# Altium PCB 宝宝主板_V7.PcbDoc
Units mil, origin at the board's own origin, x right, y up, seen from the top; angles counter-clockwise.
Board outline 3890.01 x 3099.41 mil, 2 copper layers (Top Layer, Bottom Layer); 80 components, 71 nets, 324 pads, 114 vias.
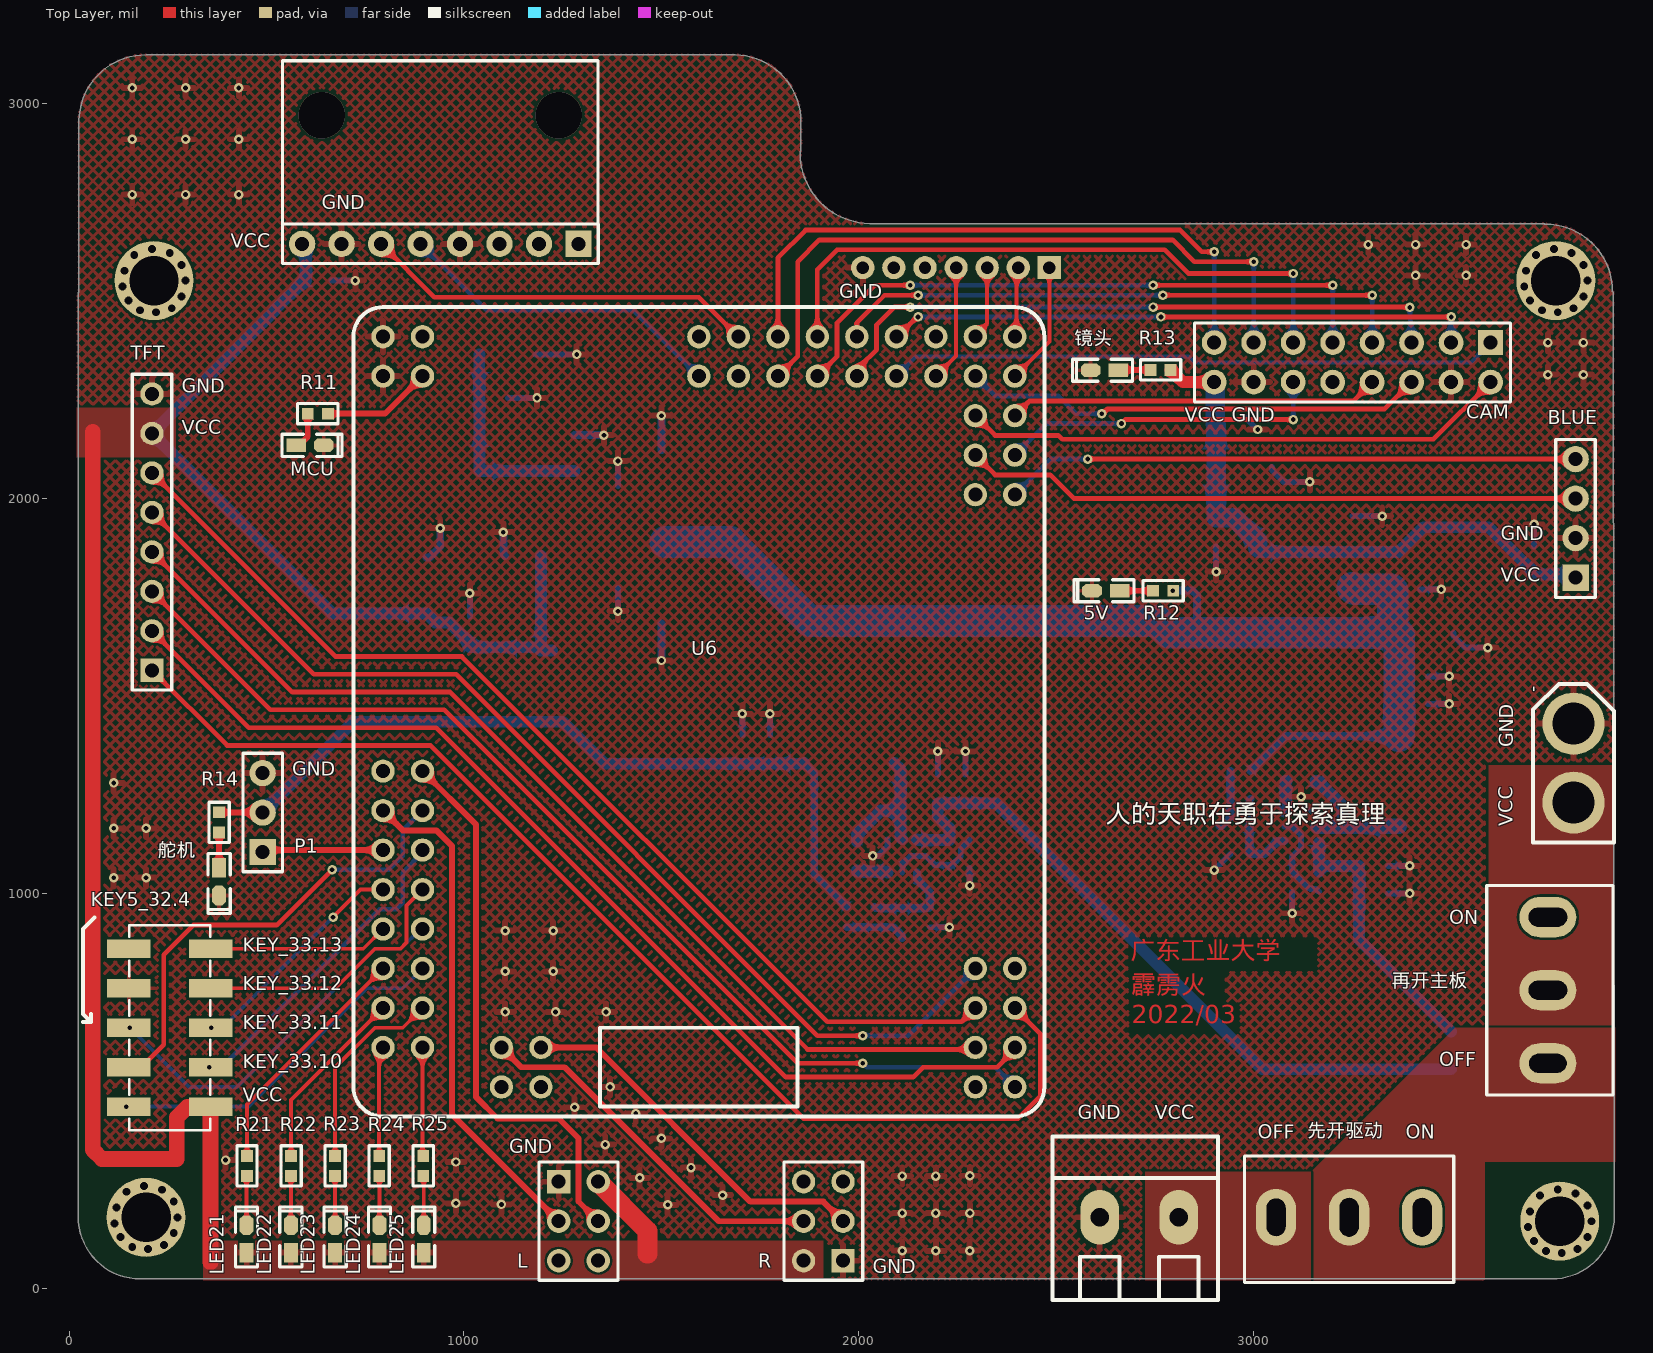
[diagram p0: Top Layer view]
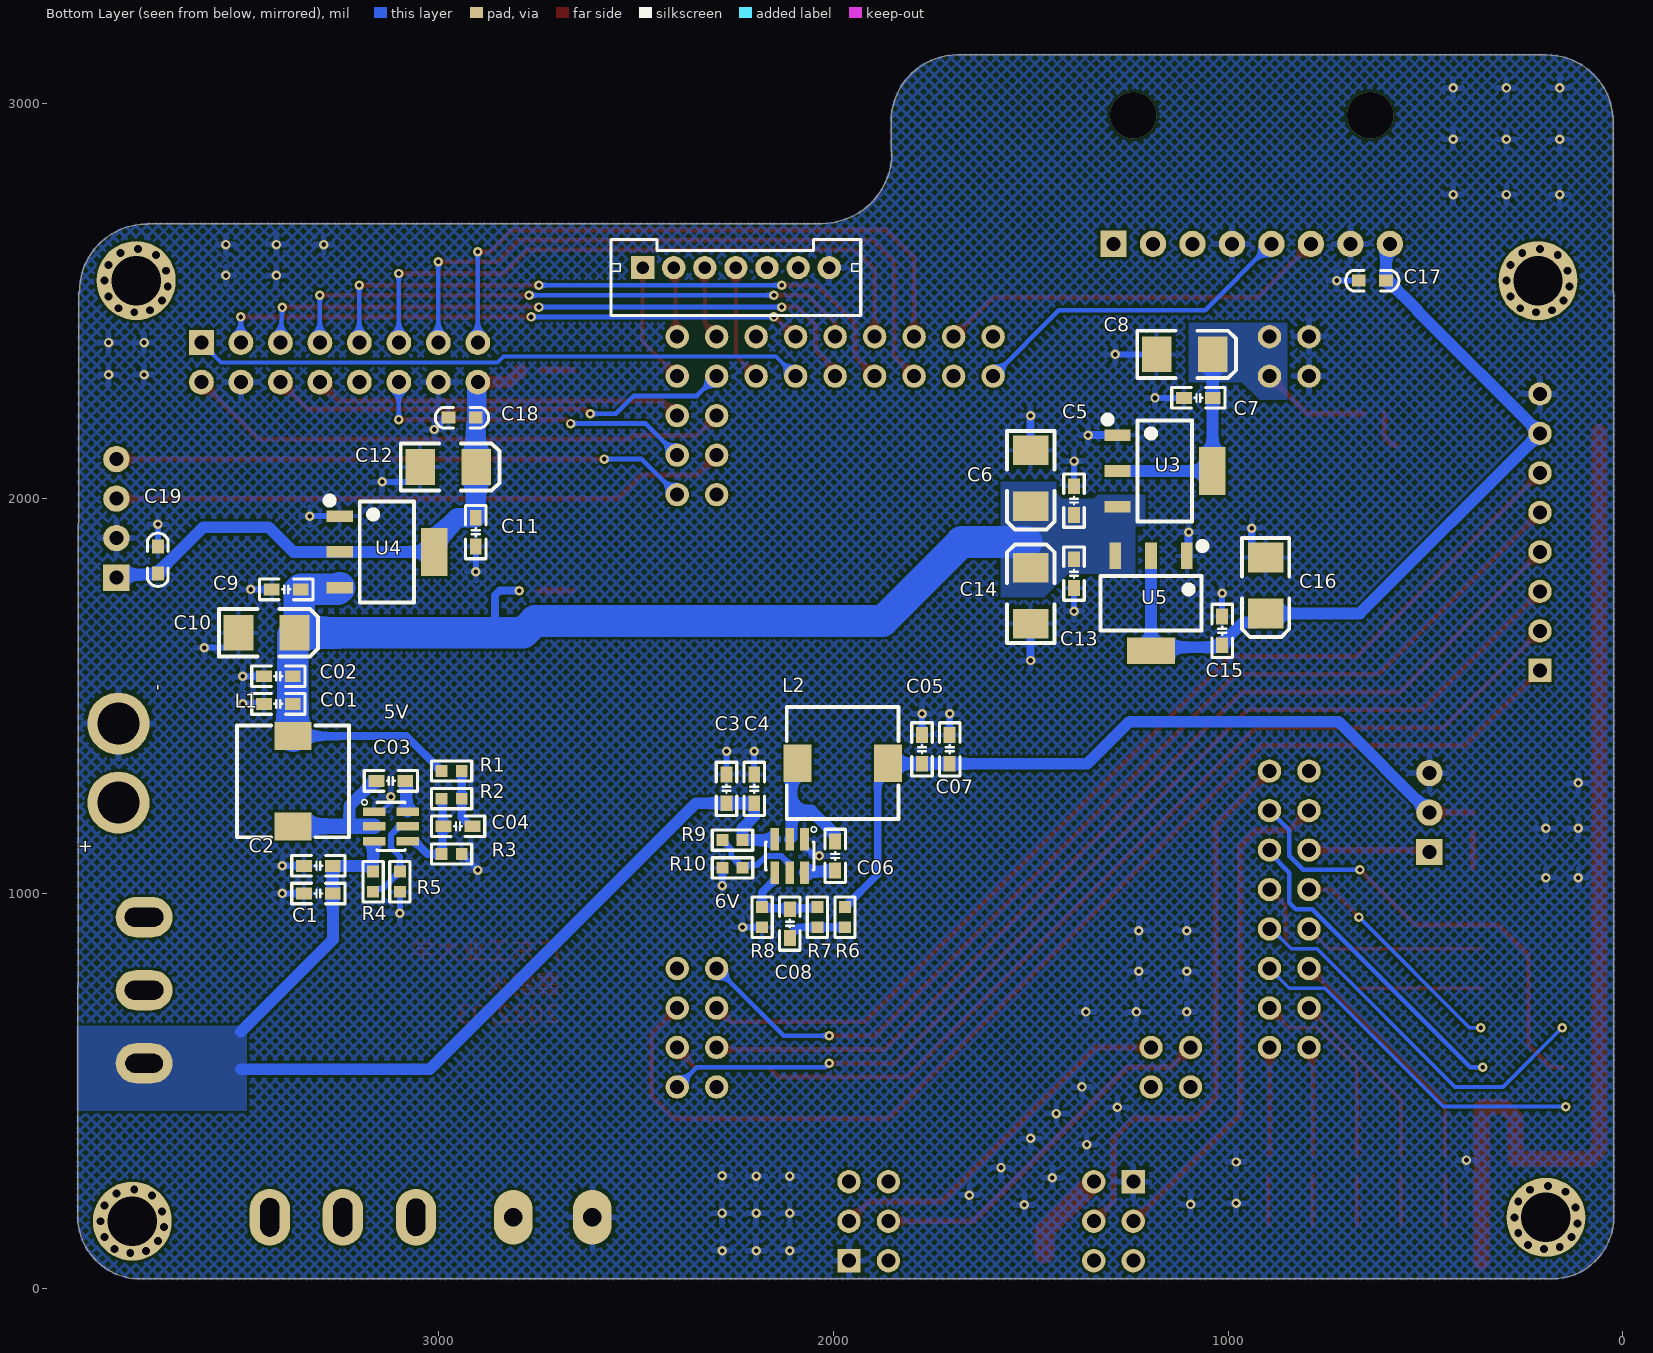
[diagram p1: Bottom Layer view, seen from below]

## Layer stack, top to bottom
Top Solder: solder mask 0.4, Solder Resist, Dk 3.5
Top Layer: signal copper 1.4
Dielectric 1: dielectric 12.6, FR-4, Dk 4.8
Bottom Layer: signal copper 1.4
Bottom Solder: solder mask 0.4, Solder Resist, Dk 3.5

## Board outline
23.23,180.78 23.36,2521.27 ccw(c20.11,2525.09) 25.13,2525.09 25.13,2956.74 cw(c193.56,2955) 195.28,3123.43 ccw(c195.33,3128.44) 195.33,3123.43 1686.74,3123.43 ccw(c1685,2955) 1686.72,3123.43 1686.74,3123.43 cw(c1685,2955) 1853.44,2955 cw(c1685,2955) 1853.43,2953.28 ccw(c1858.44,2953.23) 1853.43,2953.23 1853.43,2880.69 ccw(c1856.56,2876.77) 1851.54,2876.82 ccw(c2030,2875) 2028.18,2696.54 ccw(c2028.23,2701.56) 2028.23,2696.54 3735.06,2696.54 ccw(c3738.84,2699.84) 3738.85,2694.82 cw(c3739.27,2526.07) 3908.02,2526.49 ccw(c3913.04,2526.51) 3909.95,2522.56 3913.24,183.58 ccw(c3918,182) 3912.99,182 cw(c3755,182) 3755,24.01 180,24.01 cw(c180,180.78)

## Design rules (kind name [scope] priority, off if disabled: settings)
Clearance [All] p1: gap=6 ignorepadtopadclearanceinfootprint=FALSE
Height [All] p1: minheight=0 maxheight=9999 prefheight=500
MinimumSolderMaskSliver [All] p1: minsoldermaskwidth=0
PolygonConnect [All] p1: thpad.connectstyle=Relief thpad.reliefconductorwidth=15 thpad.reliefentries=4 thpad.polygonreliefangle="90 Angle" thpad.airgapwidth=10 smdpad.connectstyle=Relief smdpad.reliefconductorwidth=10 smdpad.reliefentries=4 smdpad.polygonreliefangle="90 Angle" smdpad.airgapwidth=10 via.connectstyle=Relief via.reliefconductorwidth=15 via.reliefentries=4 via.polygonreliefangle="90 Angle" via.airgapwidth=10
RoutingVias [All] p1: holewidth=28 width=50 viastyle="Through Hole" minholewidth=28 minwidth=50 maxholewidth=28 maxwidth=50
SilkToSilkClearance [All] p1: silktosilkclearance=0
SilkToSolderMaskClearance [IsPad] p1: minsilkscreentomaskgap=0 clearancetoexposedcopper=TRUE
SolderMaskExpansion [All] p1: expansion=4 istentingtop=FALSE
UnRoutedNet [All] p1: checkbadconnections=TRUE
Width PWR [InNet('No Net')] p1: maxlimit=150 minlimit=10 preferedwidth=60
Width [All] p2: maxlimit=999 minlimit=6 preferedwidth=10 minimp=50.000000 maximp=50.000000 favimp=50.000000
25 further rules are at their usual default settings.

## Classes and differential pairs
component class 宝宝主板_V7: 5V 6V BLUE C01 C1 C2 C02 C3 C03 C4 C04 C5 C05 C06 C6 C07 C7 C8 C08 C9 C10 C11 C12 C13 C14 C15 C16 C17 C18 C19 CAM cam L L1 L2 LED21 LED22 LED23 LED24 LED25 MCU P1 R R1 R2 R3 R4 R5 R6 R7 R8 R9 R10 R11 R12 R13 R14 R21 R22 R23 R24 R25 TFT U3 U4 U5 U6 VCC 先开驱动 舵机 镜头

## Components (designator, comment, footprint, x,y, rotation, side; value= is the part's Value field where it differs from the comment)
5V "TPS54202" SOT23-6 3120,1170 r90 bottom (schematic designator U1)
5V "红色" "LED 0603Y" 2625.48,1766.57 r180 top (schematic designator LED2)
6V "TPS54202" SOT23-6 2110,1095 r180 bottom (schematic designator U2)
BLUE "Header 4" HDR2.54-M-LI-4P 3815,1950 r90 top (schematic designator P5)
C1 "C" "C 0603_M" 3303.5,1000 r180 bottom value=10uF
C01 "C" "C 0603_M" 3405,1480 r180 bottom value=22uF
C2 "C" "C 0603_M" 3303.5,1070 r180 bottom value=100nF
C02 "C" "C 0603_M" 3405,1550 r180 bottom value=22uF
C3 "C" "C 0603_M" 2270,1265 r270 bottom value=10uF
C03 "C" "C 0603_M" 3120,1285 r180 bottom value=0.1uF
C4 "C" "C 0603_M" 2200,1265 r270 bottom value=100nF
C04 "C" "C 0603_M" 2950,1170.41 r180 bottom value=75pF
C5 "C" "C 0603_M" 1390,1995 r270 bottom value=100nF
C05 "C" "C 0603_M" 1775,1365 r270 bottom value=22uF
C6 "C-CD" "CD B(3528)" 1500,2051.5 r90 bottom value=10uF
C06 "C" "C 0603_M" 1995,1095 r270 bottom value=0.1uF
C7 "C" "C 0603_M" 1075,2255 r180 bottom value=100nF
C07 "C" "C 0603_M" 1705,1365 r270 bottom value=22uF
C8 "C-CD" "CD B(3528)" 1110,2365 r0 bottom value=10uF
C08 "C" "C 0603_M" 2109.59,923.68 r270 bottom value=75pF
C9 "C" "C 0603_M" 3385,1770 r180 bottom value=100nF
C10 "C-CD" "CD B(3528)" 3435,1660 r0 bottom value=10uF
C11 "C" "C 0603_M" 2905,1915 r90 bottom value=100nF
C12 "C-CD" "CD B(3528)" 2975,2080 r0 bottom value=10uF
C13 "C" "C 0603_M" 1390,1810 r90 bottom value=100nF
C14 "C-CD" "CD B(3528)" 1499.99,1754.13 r270 bottom value=10uF
C15 "C" "C 0603_M" 1015,1665 r270 bottom value=100nF
C16 "C-CD" "CD B(3528)" 905,1780 r90 bottom value=10uF
C17 "104" "C 0603" 635,2552 r0 bottom
C18 "104" "C 0603" 2940,2205 r0 bottom
C19 "104" "C 0603" 3710,1845 r90 bottom
CAM "Header 8X2" HDR2.54-LI-2x8P 3250,2345 r180 top (schematic designator "Header 8X2")
H1 "PH2.54-双排贴片排母-2X5P" HDR-SMD_10P-P2.54-V-F-R2-C5-S7.6 255,660 r90 top
K1 "MTS-10X" MTS-10x 3750,755 r90 top
L "Header 3X2" HDR2X3 1240,270 r270 top (schematic designator P2)
L1 "15uH" "L 7*7" 3367.79,1170 r90 bottom
L2 "15uH" "L 7*7" 2090,1330 r180 bottom
LED21 "红色" "LED 0603Y" 449.45,125 r90 top
LED22 "红色" "LED 0603Y" 561.62,125 r90 top
LED23 "红色" "LED 0603Y" 673.8,125 r90 top
LED24 "红色" "LED 0603Y" 785.97,125 r90 top
LED25 "红色" "LED 0603Y" 898.15,125 r90 top
MCU "红色" "LED 0603Y" 610,2135 r0 top (schematic designator LED1)
P1 "Header 3" HDR2.54-LI-3P 490,1205 r90 top
P6 "Header 7" PH2.0-L-Z-7P 2482.48,2585 r180 bottom
Px "ICM20602" ICM20602 940,2650 r180 top
R "Header 3X2" HDR2X3 1960,70 r90 top (schematic designator P4)
R1 "R" "R 0603_L" 2966.32,1310 r0 bottom value=49.9
R2 "R" "R 0603_L" 2966.32,1240 r180 bottom value=100k
R3 "R" "R 0603_L" 2966.32,1100 r0 bottom value=13.3k
R4 "R" "R 0603_L" 3165,1030 r90 bottom value=511k
R5 "R" "R 0603_L" 3097.32,1030 r90 bottom value=105k
R6 "R" "R 0603_L" 1970,940 r90 bottom value=49.9
R7 "R" "R 0603_L" 2040,939.99 r270 bottom value=100k
R8 "R" "R 0603_L" 2180,940 r90 bottom value=11k
R9 "R" "R 0603_L" 2255,1135 r180 bottom value=511k
R10 "R" "R 0603_L" 2255,1065 r180 bottom value=105k
R11 "R" "R 0603_L" 630,2215 r0 top value=10k
R12 "R" "R 0603_L" 2770.48,1766.57 r0 top value=27k
R13 "R" "R 0603_L" 2764.07,2325.93 r0 top value=53k
R14 "R" "R 0603_L" 380,1180 r90 top value=53k
R21 "R" "R 0603_L" 450.65,310 r90 top value=500
R22 "R" "R 0603_L" 562.22,310 r90 top value=500
R23 "R" "R 0603_L" 673.79,310 r90 top value=500
R24 "R" "R 0603_L" 785.37,310 r90 top value=500
R25 "R" "R 0603_L" 896.94,310 r90 top value=500
SP1 "M3铜柱" M3孔 220,179.7 r0 top
SP2 "M3铜柱" M3孔 240,2552 r0 top
SP3 "M3铜柱" M3孔 3800,170 r0 top
SP4 "M3铜柱" M3孔 3790,2552 r0 top
TFT "Header 8" HDR1X8 210,1565 r90 top (schematic designator P3)
U3 "AMS1117-3V3" SOT223_L 1160,2070 r270 bottom
U4 "AMS1117-3V3" SOT223_L 3130,1865 r270 bottom
U5 "AMS1117-5.0" SOT223_L 1195,1735 r0 bottom
U6 "TC264_CoreBoard" PCBComponent_1 1560,1715 r0 top locked
VCC "XT30" XT30-M 3810,1330 r90 top (schematic designator X2)
VCC "SOURCE" KF128-5.08-2P 2710,180 r0 top (schematic designator X1)
先开驱动 "MTS-10X" MTS-10x 3241.66,175 r0 top (schematic designator K2)
舵机 "红色" "LED 0603Y" 380,1030 r270 top (schematic designator LED4)
镜头 "红色" "LED 0603Y" 2622.02,2325 r180 top (schematic designator LED3)

## Footprints (in the part's own frame and the unit in brackets; to place one, negate y for a bottom-side part, rotate by r counter-clockwise, add the part's x,y. Pads: shape width x height; smd on the part's side, far side on the other; paste and mask are expansions set on the pad)
"C 0603" [mil]
  rect 35x30 smd: 1(-35,0) 2(34,0)
  silkscreen extent -67,-26 67,26, body extent -31,-16 31,16, height 32
"C 0603_M" [mil] "无极性贴片电容"
  rect 40x30 smd: 1(-36.5,0) 2(36.5,0)
  silkscreen extent -68,-26 68,26, body extent -31,-16 31,16, height 32
"CD B(3528)" [mil] "长3.5mm，宽2.8mm，厚1.9mm"
  rect 75x90 smd: 1(-70.87,-0.01) 2(70.86,-0.01)
  silkscreen extent -130,-60 120,60, body extent -69,-55 69,55, height 75
HDR1X8 [mm] "Connector; Header; 8 Position"
  rect 1.5x1.5 hole 0.9: 1(0,0)
  round 1.5 hole 0.9: 2(2.54,0) 3(5.08,0) 4(7.62,0) 5(10.16,0) 6(12.7,0) 7(15.24,0) 8(17.78,0)
  silkscreen extent -1.27,-1.27 19.05,1.27
HDR2.54-LI-2x8P [mm] "双排排针，8x2脚"
  rect 1.6x1.6 hole 0.9: 1(-8.89,-1.27)
  round 1.6 hole 0.9: 2(-8.89,1.27) 3(-6.35,-1.27) 4(-6.35,1.27) 5(-3.81,-1.27) 6(-3.81,1.27) 7(-1.27,-1.27) 8(-1.27,1.27) 9(1.27,-1.27) 10(1.27,1.27) 11(3.81,-1.27) 12(3.81,1.27) 13(6.35,-1.27) 14(6.35,1.27) 15(8.89,-1.27) 16(8.89,1.27)
  silkscreen extent -10.16,-2.54 10.16,2.54, body extent -10.16,-2.54 10.16,2.54, height 8.5
HDR2.54-LI-3P [mm] "排针，3脚"
  rect 1.7x1.7 hole 0.9: 1(-2.54,0)
  round 1.7 hole 0.9: 2(0,0) 3(2.54,0)
  silkscreen extent -3.81,-1.27 3.81,1.27, body extent -3.81,-1.27 3.81,1.27, height 8.5
HDR2.54-M-LI-4P [mm] "排母，4脚  淘宝ID:黄晶宝石   店铺网址:https://shop463601444.taobao.com"
  rect 1.7x1.7 hole 0.9: 1(-3.81,0)
  round 1.7 hole 0.9: 2(-1.27,0) 3(1.27,0) 4(3.81,0)
  silkscreen extent -5.08,-1.27 5.08,1.27, body extent -5.08,-1.27 5.08,1.27, height 8.5
HDR2X3 [mm] "Connector; Header; 3x2 Position"
  rect 1.5x1.5 hole 0.9: 1(0,0)
  round 1.5 hole 0.9: 2(0,2.54) 3(2.54,0) 4(2.54,2.54) 5(5.08,0) 6(5.08,2.54)
  silkscreen extent -1.27,-1.27 6.35,3.81
HDR-SMD_10P-P2.54-V-F-R2-C5-S7.6 [mm]
  rect 1.2x2.8 smd: 1(-5.08,-2.625) 2(-5.08,2.625) 3(-2.54,-2.625) 4(-2.54,2.625) 5(0,-2.625) 6(0,2.625) 7(2.54,-2.625) 8(2.54,2.625) 9(5.08,-2.625) 10(5.08,2.625)
  silkscreen extent -6.6,-2.6 6.6,2.6
ICM20602 [mm]
  round 1.7 hole 0.9: 1(8.89,0.127) 2(6.35,0.127) 3(3.81,0.127) 4(1.27,0.127) 5(-1.27,0.127) 6(-3.81,0.127) 7(-6.35,0.127)
  rect 1.7x1.7 hole 0.9: 8(-8.89,0.127)
  silkscreen extent -10.16,-11.66 10.16,1.4, body extent -10.16,-1.14 10.16,1.4, height 8.5
KF128-5.08-2P [mm] "螺钉式接线端子，脚距5.08mm"
  oval 2.5x3.5 hole 1.2: 1(-2.54,0) 2(2.54,0)
  silkscreen extent -5.59,-5.31 5.08,5.21, body extent -5.58,-5.3 5.08,5.2, height 14.15
"L 7*7" [mm]
  rect 1.8x2.4 smd: 1(0,0) 2(5.8,0)
  silkscreen extent -0.7,-3.6 6.5,3.6, body extent -0.68,-3.2 6.27,3.4, height 3.05
"LED 0603Y" [mil] "黄色0603LED"
  rect 50x35 smd: 1(-35,0)
  oct 50x35 smd: 2(35,0)
  silkscreen extent -71,-28 81,28, body extent -31,-16 31,16, height 24
M3孔 [mil]
  round 200 hole 125: 1(-25,0)
  round 20 hole 20: 2(-30,80) 3(15,70) 4(45,40) 5(55,0) 6(45,-40) 7(20,-70) 8(-20,-80) 9(-60,-75) 10(-90,-50) 11(-105,-15) 12(-100,25) 13(-75,65)
MTS-10x [mil] "MTS10X3脚扭子开关      淘宝ID:黄晶宝石"
  oval 102x144 hole 48 slot 95 at 90 deg: 1(-185,5)
  oval 102x144 hole 48 slot 98 at 90 deg: 2(0,5) 3(185,5)
  silkscreen extent -265,-160 265,160, body extent -260,-151 260,161, height 1199
PCBComponent_1 [mm]
  round 1.5 hole 0.9: 1(-19.431,17.653) 2(-16.891,17.653) 3(-19.431,15.113) 4(-16.891,15.113) 23(-19.431,-10.287) 24(-16.891,-10.287) 25(-19.431,-12.827) 26(-16.891,-12.827) 27(-19.431,-15.367) 28(-16.891,-15.367) 29(-19.431,-17.907) 30(-16.891,-17.907) 31(-19.431,-20.447) 32(-16.891,-20.447) 33(-19.431,-22.987) 34(-16.891,-22.987) 35(-19.431,-25.527) 36(-16.891,-25.527) 37(-19.431,-28.067) 38(-16.891,-28.067) 43(-11.811,-30.607) 44(-11.811,-28.067) 45(-9.271,-30.607) 46(-9.271,-28.067) 57(18.669,-30.607) 58(21.209,-30.607) 59(18.669,-28.067) 60(21.209,-28.067) 61(18.669,-25.527) 62(21.209,-25.527) 63(18.669,-22.987) 64(21.209,-22.987) 87(18.669,7.493) 88(21.209,7.493) 89(18.669,10.033) 90(21.209,10.033) 91(18.669,12.573) 92(21.209,12.573) 93(18.669,15.113) 94(21.209,15.113) 95(18.669,17.653) 96(21.209,17.653) 97(16.129,15.113) 98(16.129,17.653) 99(13.589,15.113) 100(13.589,17.653) 101(11.049,15.113) 102(11.049,17.653) 103(8.509,15.113) 104(8.509,17.653) 105(5.969,15.113) 106(5.969,17.653) 107(3.429,15.113) 108(3.429,17.653) 109(0.889,15.113) 110(0.889,17.653)
  silkscreen extent -21.34,-32.51 23.11,19.56
PH2.0-L-Z-7P [mm]
  rect 1.5x1.5 hole 0.8: 1(0,0)
  round 1.5 hole 0.8: 2(2,0) 3(4,0) 4(6,0) 5(8,0) 6(10,0) 7(12,0)
  silkscreen extent -2.03,-3.08 14.03,1.82, body extent -1.95,-3 13.95,1.7, height 6
"R 0603_L" [mil] "1/10W贴片电阻"
  rect 30x30 smd: 1(-25.59,0) 2(25.59,0)
  silkscreen extent -51,-26 51,26, body extent -31,-16 31,16, height 16
SOT23-6 [mm] "SOT-23/SC-74A; 5 Leads; Body 3.1 x 3 mm, inc. leads (LxW max)"
  rect 0.55x1.45 smd: 1(0.95,1.075) 2(0,1.075) 3(-0.95,1.075) 4(-0.95,-1.075) 5(0,-1.075) 6(0.95,-1.075)
  silkscreen extent -1.55,-0.9 1.73,1.88, body extent -1.43,-1.2 1.49,1.14, height 1
SOT223_L [mm] "6.4x7x1.6mm(长宽高)"
  rect 0.75x1.7 smd: 1(-2.3,-3.048) 2(0,-3.048) 3(2.3,-3.048)
  rect 3.1x1.7 smd: 2(0,3.048)
  silkscreen extent -3.5,-3.88 3.25,1.75, body extent -3.25,-3.51 3.25,3.51, height 1.65
XT30-M [mm]
  round 4 hole 2.7: 1(-2.54,0) 2(2.54,0)
  silkscreen extent -5.1,-2.6 5.11,2.6, body extent -5.18,-2.8 5.02,2.8, height 10.66

## Part data
5V 6V: "ic降压"
5V LED21 LED22 LED23 LED24 LED25 MCU 舵机 镜头: library part LED-SMD, "贴片LED", BOM名称=贴片LED, 学习资源=www.ooocke.com, 版权归属=源创客
BLUE: library part 串口, "蓝牙"
C1 C01 C2 C02 C3 C03 C4 C04 C5 C05 C06 C7 C07 C08 C9 C11 C13 C15: "无极性贴片电容", 版权归属=电协硬件组
C6 C8 C10 C12 C14 C16: "贴片钽电容", 版权归属=电协硬件组
C17 C18 C19: library part C, "无极性贴片电容", BOM名称=无极性贴片电容, 学习资源=www.ooocke.com, 版权归属=源创客
CAM: "8*2P接插件", BOM名称=8*2P接插件, 学习资源=www.ooocke.com, 版权归属=源创客
K1 先开驱动: "钮子开关"
L R: "Header, 3-Pin, Dual row", LatestRevisionDate=17-Jul-2002, LatestRevisionNote="Re-released for DXP Platform.", Publisher="Altium Limited"
L1 L2: library part L, "功率电感"
P1: library part CON3
P6: "Header, 7-Pin", LatestRevisionDate=17-Jul-2002, LatestRevisionNote="Re-released for DXP Platform.", Publisher="Altium Limited"
R1 R2 R3 R4 R5 R6 R7 R8 R9 R10 R11 R12 R13 R14 R21 R22 R23 R24 R25: "贴片电阻", 版权归属=电协硬件组
SP1 SP2 SP3 SP4: library part 铜柱, "铜柱", BOM名称=铜柱, 封装库来自淘宝卖家 ID：黄晶宝石=其他店铺购入均为盗版，不享受售后技术支持服务，请立即申请退款, 技术支持，联系售后=https://shop463601444.taobao.com, 版权归属="封装库来自淘宝 ID：黄晶宝石"
TFT: "Header, 8-Pin", LatestRevisionDate=17-Jul-2002, LatestRevisionNote="Re-released for DXP Platform.", Publisher="Altium Limited"
U3 U4 U5: library part AMS1117, "三端稳压芯片", 版权归属=电协硬件组
U6: "逐飞科技TC264核心板"
VCC: "XT30-M"
VCC: library part Source_端子

## Via types
v1: diameter 24, hole 12, Top Layer to Bottom Layer, tented both sides, 106 vias
v2: diameter 24, hole 12, Top Layer to Bottom Layer, 6 vias
v3: diameter 118.11, hole 118.11, Top Layer to Bottom Layer, tented both sides, 2 vias

## Nets (pads, with @x,y where several pads share a name; then routed paths per layer and width w, separated by ;. In a path a pad name is that pad's centre, name@x,y a point inside that pad or via, vN(x,y) a via of type N, cw(c..) or ccw(c..) an arc to the next point about the centre after c; other vN are vias at no path point)
3V3_CAM: BLUE.1 C11.2 C12.1 C18.1 C19.1 CAM.16 R13.2 U4.2 | length 1501.7
  Top Layer w30: R13.2 2820.58,2295 CAM.16
  Bottom Layer w30: U4.2@3010,1865 3250,1865 3367.2,1865 3429.7,1927.5 3595,1927.5 3710,1812.5 C19.1 3710,1807.5 3807.5,1807.5 BLUE.1
  Bottom Layer w50: CAM.16 2902.49,2292.51 2902.49,2189 2905,2186.48 2905,2080.88 C12.1 2905,2079.13 C11.2 2951.06,1951.5 3010,1892.56 U4.2@3010,1876.38
3V3_MCU: C7.2 C8.1 R11.2 U3.2 U6.2 U6.4 | length 815
  Top Layer w15: R11.2 800,2215 U6.4
  Bottom Layer w30: C7.2 C7.2@1038.81,2255 ; C8.1 1038.81,2364.69 C7.2@1038.81,2255 ; U3.2@1280,2070 1040,2070 1039.25,2070.75 1039.25,2255 C7.2@1038.81,2255
5V_1: C01.2 C02.2 C5.2 C6.1 C9.2 C10.1 C13.2 C14.1 L1.2 R1.2 R12.2 U3.3 U4.3 U5.3 | length 3011.7
  Bottom Layer w20: v1(2795,1766.87) 2845.14,1766.87 2856.86,1755.16 2856.86,1677.94 2874.8,1660.01 ; R1.2 3080.26,1398.35 L1.2
  Bottom Layer w80: 1510,1890 1675,1890 1875,1690 2755.01,1690 2785,1660.01 2874.8,1660.01 C10.1 ; U4.3 3254.45,1770 C9.2 3351.63,1766.87 3351.63,1672.51 C10.1 ; L1.2 3368.5,1399.06 C01.2 C02.2 3368.5,1655.63 C10.1
6V_1: C05.2 C07.2 L2.2 P1.2 R6.2 R14.2 | length 2041.2
  Top Layer w15: R14.2 380.3,1205.29 489.71,1205.29 P1.2
  Top Layer w30: P1.2@480.01,1205 P1.2
  Bottom Layer w20: L2.2 1887.09,1304.57 1887.09,1048.5 R6.2
  Bottom Layer w30: P1.2 720,1435 1250,1435 1356.5,1328.5 C07.2 C05.2 1860.15,1328.5 L2.2
BLUE_RXD: BLUE.3 U6.89 | length 1565.6
  Top Layer w12: U6.89 2345,2060 2485,2060 2545,2000 BLUE.3
BLUE_TXD: BLUE.4 U6.88 | length 1457.3
  Top Layer w12: v1(2580,2100) BLUE.4
  Bottom Layer w12: U6.88 2485,2100 v1(2580,2100)
CAMERA_RX: CAM.8 U6.92 | length 940.2
  Top Layer w12: U6.92 2432,2247 3252,2247 CAM.8
CAMERA_TX: CAM.6 U6.93 | length 1177.5
  Top Layer w12: v1(2615,2215) 2618,2215 2630,2227 3332,2227 CAM.6
  Bottom Layer w12: U6.93 2345,2260 2505,2260 2550,2215 v1(2615,2215)
D1: CAM.1 U6.99 | length 1552.6
  Bottom Layer w10: U6.99 2145,2360 2835,2360 2850,2345 3550,2345 CAM.1
D2: CAM.3 U6.100 | length 1490.7
  Top Layer w12: U6.100 2097.5,2410 2147.5,2460 v1(2150,2460) ; v1(2765,2460) v1(3500,2460)
  Bottom Layer w12: v1(2150,2460) v1(2765,2460) ; CAM.3 v1(3500,2460)
D3: CAM.5 U6.101 | length 1608.9
  Top Layer w12: U6.101 2004,2319 2004,2335.95 2045,2376.94 2045,2440 2090,2485 v1(2130,2485) ; v1(2745,2485) 3394,2485 v1(3395,2484)
  Bottom Layer w12: v1(2130,2485) v1(2745,2485) ; v1(3395,2484) CAM.5
D4: CAM.7 U6.102 | length 1489
  Top Layer w12: U6.102 1995,2445 2065,2515 v1(2150,2515) ; v1(2770,2515) v1(3300,2515)
  Bottom Layer w12: v1(2150,2515) v1(2770,2515) ; CAM.7 v1(3300,2515)
D5: CAM.9 U6.103 | length 1595.1
  Top Layer w12: U6.103 1945,2360 1945,2445 2040,2540 v1(2130,2540) ; v1(2745,2540) v1(3200,2540)
  Bottom Layer w12: v1(2130,2540) v1(2745,2540) ; CAM.9 v1(3200,2540)
D6: CAM.11 U6.104 | length 1599.7
  Top Layer w12: U6.104 1895,2580 1945,2630 2775,2630 2835,2570 v1(3100,2570)
  Bottom Layer w12: CAM.11 3105,2400 3100,2405 v1(3100,2570)
D7: CAM.13 U6.105 | length 1716.3
  Top Layer w12: U6.105 1845,2360 1845,2600 1900,2655 2794.54,2655 2849.54,2600 v1(3000,2600)
  Bottom Layer w12: CAM.13 v1(3000,2600)
D8: CAM.15 U6.106 | length 1590.9
  Top Layer w12: U6.106 1795,2610 1865,2680 2813.54,2680 2868.54,2625 v1(2900,2625)
  Bottom Layer w12: CAM.15 2905,2400 2900,2405 v1(2900,2625)
DGND: 5V.1@3162.32,1207.4 5V.2@2590.47,1766.57 6V.1 BLUE.2 C1.1 C01.1 C02.1 C2.1 C3.1 C4.1 C5.1 C05.1 C6.2 C7.1 C07.1 C8.2 C9.1 C10.2 C11.1 C12.2 C13.1 C14.2 C15.1 C16.2 C17.2 C18.2 C19.2 CAM.4 CAM.14 H1.8 L.1 MCU.2 P1.3 P6.7 Px.2 Px.5 R3.1 R5.1 R8.1 R10.1 R.1 TFT.8 U3.1 U4.1 U5.1 U6.1 U6.3 VCC.1@2610,180 VCC.2@3810,1430 舵机.2 镜头.2 | length 2123.2
  Bottom Layer w10: v1(3120,1245) 3120,1232.01 3144.61,1207.4 5V.1@3162.32,1207.4
  Bottom Layer w15: C17.2@664,2552 v1(725,2552) ; C15.1 v1(1015,1760) ; C7.1 v1(1185,2255) ; C8.2 v1(1285.55,2365.01) ; v1(1390,1715) C13.1 ; C5.1 v1(1390,2095) ; C07.1 v1(1705,1455) ; C05.1 v1(1775,1455) ; v1(2035,1095) 2047.99,1095 2072.6,1119.61 6V.1 ; R8.1 v1(2229.41,914.41) ; C4.1 v1(2200,1360) ; C3.1 v1(2270,1360) ; v1(2280.59,1020) R10.1 ; v1(2900,1059.27) R3.1 ; v1(2905,1815) C11.1 ; C18.2@2979,2205 3009,2175 v1(3010,2175) ; C12.2 3045.86,2072.51 3075.86,2042.51 v1(3142.1,2042.51) ; v1(3097.32,950) R5.1 ; U4.1 v1(3325.55,1955.55) ; C1.1 v1(3395,1000) ; C2.1 v1(3395,1070) ; C9.1 v1(3475,1770) ; C01.1 v1(3495,1480) ; C02.1 v1(3495,1550) ; C10.2 3505.86,1652.51 3535.86,1622.51 v1(3592.49,1622.51) ; C19.2 v1(3710,1935)
  Bottom Layer w20: C16.2 912.49,1850.86 939.99,1878.36 v1(939.99,1924.99) ; v1(1099.68,1915) 1099.68,1859.76 U5.1 ; U3.1 v1(1354.45,2160.55) ; v1(1500,1590) C14.2 ; C6.2 v1(1499.99,2210)
  other v1: 2110,95.34 2195,95 2280.59,95.34 2110,190.72 2195,190.72 2281.26,190.72 1515.85,211.44 1095,212.56 979.73,215.34 1655,236.06 1445,280 2110,284.41 2195,284.41 2281.26,285.11 1575,305.83 979.73,320 396.34,325 1357.92,364.14 1499.99,380 1435,442.72 1280,458.58 1370,510 1104.27,700 1232.14,700 1360,700 1104.27,802.91 1226.03,802.91 1104.27,905.82 1226.03,905.82 113,1040 195,1040 113,1165 195,1165 113,1280 3745,2313.91 3835,2313.91 3745,2395 3834.9,2395 3410,2565 3537.82,2565 3290,2643.35 3410,2643.35 3537.82,2643.35 160,2770 295,2770 430,2770 160,2910 295,2910 430,2910 160,3040 295,3040 430,3040
KEY1_33.10: H1.3 U6.28 | length 816.4
  Bottom Layer w12: v2(355,560) 386.27,560 786.27,960 827.97,960 845,977.03 845,1052.54 895,1102.54 U6.28
KEY2_33.11: H1.5 U6.29 | length 580
  Top Layer w10: v2(668.55,940) 738.55,1010 U6.29
  Bottom Layer w10: v2(360,660) 388.55,660 v2(668.55,940)
KEY3_33.12: H1.7 U6.30 | length 695.4
  Top Layer w10: H1.7 675,760 775,860 839.14,860 854.47,875.33 854.47,969.47 U6.30
KEY4_33.13: H1.9 U6.31 | length 457.4
  Top Layer w10: H1.9 745,860 U6.31
KEY5_32.4: H1.6 U6.32 | length 968.9
  Bottom Layer w10: v2(153.91,660) 303.91,510 425,510 775,860 840,860 890,910 U6.32
LCD_BL: TFT.1 U6.62 | length 2993.6
  Top Layer w12: TFT.1 400,1375 915,1375 1860,430 2402.97,430 2460,487.03 2460,645 U6.62
LCD_CS: TFT.2 U6.60 | length 2687.1
  Top Layer w12: TFT.2 455,1420 930,1420 1815,535 2137.5,535 2162.5,560 2350,560 2395,605 U6.60
LCD_DC: TFT.3 U6.58 | length 2704.8
  Top Layer w12: TFT.3 510,1465 950,1465 1845,570 v1(2010,570)
  Bottom Layer w12: v1(2010,570) 2020,560 2345,560 U6.58
LCD_RES: TFT.4 U6.59 | length 2609
  Top Layer w12: TFT.4 565,1510 965,1510 1870,605 2290,605 U6.59
LCD_SCL: TFT.6 U6.61 | length 2675.3
  Top Layer w12: TFT.6 675,1600 995,1600 1920,675 2260,675 U6.61
LCD_SDA: TFT.5 U6.63 | length 2704.2
  Top Layer w12: TFT.5 620,1555 980,1555 1895,640 v1(2010,640)
  Bottom Layer w12: v1(2010,640) 2125,640 U6.63
LED1: R21.2 U6.33 | length 617
  Top Layer w10: R21.2 450.65,465.65 U6.33
LED2: R22.2 U6.35 | length 470.8
  Top Layer w10: R22.2 562.22,477.22 U6.35
LED3: R23.2 U6.36 | length 507
  Top Layer w10: R23.2 673.8,558.8 775,660 845,660 U6.36
LED4: R24.2 U6.37 | length 278.4
  Top Layer w10: R24.2 785.37,600.37 U6.37
LED5: R25.2 U6.38 | length 275.2
  Top Layer w10: U6.38 895,337.53 R25.2
NetC03_1: 5V.2@3162.32,1170 C03.1 L1.1 | length 351.8
  Bottom Layer w30: C03.1 3161.5,1285 3225,1221.5 3225,1170
  Bottom Layer w40: 5V.2@3162.32,1170 3225,1170 L1.1
NetC03_2: 5V.6 C03.2 | length 81.7
  Bottom Layer w30: 5V.6 3080.59,1210.31 3080.59,1285 C03.2
NetC04_1: 5V.4 C04.1 R2.1 R3.2 | length 243.7
  Bottom Layer w20: R2.1 2989.2,1237.3 2989.2,1173.12 C04.1 2989.2,1167.71 2989.2,1102.71 R3.2 3027.37,1100 3059.96,1132.6 5V.4
NetC04_2: C04.2 R1.1 R2.2 | length 153.8
  Bottom Layer w20: C04.2 2918.5,1170.41 2940.73,1192.64 R2.2 R1.1
NetC06_1: 6V.2 C06.1 L2.1 | length 355.1
  Bottom Layer w30: C06.1 1995,1150 2055,1210 2105.83,1210 ; L2.1 2105.83,1314.17 2105.83,1210 ; 6V.2 2105.83,1141.5 2105.83,1210
NetC06_2: 6V.6 C06.2 | length 81.7
  Bottom Layer w30: C06.2 1995,1055.59 2069.69,1055.59 6V.6
NetC08_1: 6V.4 C08.1 R7.1 R8.2 | length 245.1
  Bottom Layer w20: R7.1 2042.7,962.88 2106.88,962.88 C08.1 2112.29,962.88 2177.29,962.88 R8.2 2180,1002.37 2147.4,1034.96 6V.4
NetC08_2: C08.2 R6.1 R7.2 | length 153.8
  Bottom Layer w20: R6.1 R7.2 2087.36,914.41 2109.59,892.18 C08.2
NetK1_2: K1.2 VCC.1@3810,1230
NetK2_1: VCC.2@2810,180 先开驱动.1
NetLED1_1: MCU.1 R11.1 | length 96.6
  Top Layer w15: MCU.1 582.5,2135 604.41,2156.91 R11.1
NetLED2_1: 5V.1@2660.47,1766.57 R12.1 | length 84.4
  Top Layer w15: 5V.1@2660.48,1766.57 R12.1
NetLED3_1: R13.1 镜头.1 | length 81.8
  Top Layer w15: 镜头.1 2657.95,2325.93 R13.1
NetLED4_1: R14.1 舵机.1 | length 89.4
  Top Layer w15: 舵机.1 R14.1
NetLED21_2: LED21.2 R21.1 | length 124.9
  Top Layer w10: LED21.2 449.45,283.2 R21.1
NetLED22_2: LED22.2 R22.1 | length 124.7
  Top Layer w10: LED22.2 561.62,283.8 R22.1
NetLED23_2: LED23.2 R23.1 | length 124.4
  Top Layer w10: LED23.2 R23.1
NetLED24_2: LED24.2 R24.1 | length 124.7
  Top Layer w10: R24.1 785.97,283.8 LED24.2
NetLED25_2: LED25.2 R25.1 | length 124.9
  Top Layer w10: R25.1 898.15,283.2 LED25.2
NetR4_1: 5V.5 R4.1 R5.2 | length 242.6
  Bottom Layer w15: 5V.5 3098.74,1170 3120,1148.74 3120,1116.46 3097.32,1093.78 R5.2 3141,1011.91 3157.5,1011.91 R4.1
NetR9_1: 6V.5 R9.1 R10.2 | length 252.9
  Bottom Layer w15: 6V.5 2110,1073.74 2131.26,1095 2169.41,1095 2191.91,1072.5 2221.91,1072.5 R10.2 2258.13,1093.71 2258.13,1112.53 R9.1
OLED_SCL: H1.2 U6.34 | length 901.6
  Top Layer w10: v2(145,460) H1.2
  Bottom Layer w10: v2(145,460) 455,460 755,760 845,760 U6.34
OLED_SDA: H1.4 U6.26 | length 1184.3
  Top Layer w12: H1.4 183.15,560 240,616.85 240,845 315,920 525.87,920 v2(665.87,1060)
  Bottom Layer w12: v2(665.87,1060) 809.97,1060 845,1095.03 845,1160 U6.26
P00.9_SCL: Px.3 U6.108 | length 1002.3
  Top Layer w12: Px.3 925,2510 1595,2510 U6.108
P00.12_SDA: Px.4 U6.109 | length 843.8
  Bottom Layer w12: Px.4 1058.25,2476.75 1428.25,2476.75 U6.109
P02.4_PWML1: P6.1 U6.94 | length 311.2
  Top Layer w10: U6.94 2482.48,2397.48 P6.1
P02.5_PWML2: P6.3 U6.95 | length 187.4
  Top Layer w10: U6.95 2295,2412.97 2325,2442.97 P6.3
P02.6_PWMR1: P6.2 U6.96 | length 178.6
  Top Layer w10: U6.96 2399.37,2414.37 2399.37,2580.63 P6.2
P02.7_PWMR2: P6.4 U6.97 | length 296.2
  Top Layer w10: U6.97 2246.26,2361.26 P6.4
P20.0_DIR: R.4 U6.44 | length 947.3
  Top Layer w15: U6.44 1145,560 1255,560 1645,170 R.4
P20.3_LSB: R.3 U6.46 | length 953.1
  Top Layer w10: R.3 R.3@1960,180
  Top Layer w15: U6.46 1335,610 1725.3,219.7 1910.3,219.7 1950,180 R.3@1960,180
P33.6_DIR: L.4 U6.24 | length 1415.1
  Top Layer w15: U6.24 1030,1175 1030,485 1085,430 1240,430 1290,380 1290,220 L.4
P33.7_LSB: L.3 U6.25 | length 1274.1
  Top Layer w15: U6.25 845,1160 930,1160 970,1120 970,440 L.3
PCLK: CAM.2 U6.91 | length 1389.9
  Top Layer w12: U6.91 2345,2160 2505,2160 2515,2150 3455,2150 CAM.2
STEER: P1.1 U6.27 | length 307.1
  Top Layer w15: P1.1 495,1110 U6.27
VCC_3V3: C15.2 C16.1 C17.1 H1.1 L.2 LED21.1 LED22.1 LED23.1 LED24.1 LED25.1 Px.1 R.2 TFT.7 U5.2 | length 5000.4
  Top Layer w40: 60,2169.52 60,350.93 83.43,327.5 272.5,327.5 272.5,432.5 300,460 H1.1 358.34,66.3
  Top Layer w50: L.2 1465,145 1465,87.92
  Bottom Layer w30: Px.1 590,2635.01 600,2625.01 C17.1 ; C17.1@595,2552 520,2477 520,2475 TFT.7 665.87,1709.13 C16.1 927.49,1686.63 961.87,1686.63 1015,1633.5 C15.2 1015,1623.5 1186.5,1623.5 U5.2@1195,1615 ; U5.2@1195,1855 U5.2@1195,1615 ; U5.2@1222.56,1615 U5.2@1195,1615
VCC_BAT: 5V.3 6V.3 C1.2 C2.2 C3.2 C4.2 K1.1 R4.2 R9.2 先开驱动.2 | length 2465
  Bottom Layer w30: 6V.3 2149.73,1135 R9.2 2229.41,1165.59 2200,1195 C4.2 C3.2 2348,1228.5 3021.5,555 3500,555 ; 5V.3@3165,1128.43 R4.2 3179.41,1070 C2.2 C1.2 3267,883 3500,650
VSY: CAM.12 U6.90 | length 837.3
  Top Layer w12: v1(2665,2190) 2675,2200 v1(3100,2200)
  Bottom Layer w12: U6.90 2475,2190 v1(2665,2190) ; v1(3100,2200) CAM.12
pads on no net: CAM.10 H1.10 K1.3 L.5 L.6 P6.5 P6.6 Px.6 Px.7 Px.8 R.5 R.6 SP1.1 SP1.2 SP1.3 SP1.4 SP1.5 SP1.6 SP1.7 SP1.8 SP1.9 SP1.10 SP1.11 SP1.12 SP1.13 SP2.1 SP2.2 SP2.3 SP2.4 SP2.5 SP2.6 SP2.7 SP2.8 SP2.9 SP2.10 SP2.11 SP2.12 SP2.13 SP3.1 SP3.2 SP3.3 SP3.4 SP3.5 SP3.6 SP3.7 SP3.8 SP3.9 SP3.10 SP3.11 SP3.12 SP3.13 SP4.1 SP4.2 SP4.3 SP4.4 SP4.5 SP4.6 SP4.7 SP4.8 SP4.9 SP4.10 SP4.11 SP4.12 SP4.13 U6.23 U6.43 U6.45 U6.57 U6.64 U6.87 U6.98 U6.107 U6.110 先开驱动.3
copper on no net:
  other v3: 640.01,2970.76 1240.2,2970.76

## Polygon pours and split planes (outlines as drawn)
DGND on Top Layer "DGND_L01_P029" (hatched 45Degree grid 20 track 8, remove dead copper, pour order 29): 23.23,180.78 23.36,2521.27 ccw(c20.11,2525.09) 25.13,2525.09 25.13,2956.74 cw(c193.56,2955) 195.28,3123.43 ccw(c195.33,3128.44) 195.33,3123.43 1686.74,3123.43 ccw(c1685,2955) 1686.72,3123.43 1686.74,3123.43 cw(c1685,2955) 1853.44,2955 cw(c1685,2955) 1853.43,2953.28 ccw(c1858.44,2953.23) 1853.43,2953.23 1853.43,2880.69 ccw(c1856.56,2876.77) 1851.54,2876.82 ccw(c2030,2875) 2028.18,2696.54 ccw(c2028.23,2701.56) 2028.23,2696.54 3735.06,2696.54 ccw(c3738.84,2699.84) 3738.85,2694.82 cw(c3739.27,2526.07) 3908.02,2526.49 ccw(c3913.04,2526.51) 3909.95,2522.56 3913.24,183.58 ccw(c3918,182) 3912.99,182 cw(c3755,182) 3755,24.01 180,24.01 cw(c180,180.78)
VCC_3V3 on Top Layer "NONET_L01_P-001" (solid, remove dead copper, pour order 22): 270,2105 20,2105 20,2225 20,2230 270,2230
VCC_3V3 on Top Layer "NONET_L01_P-001" (solid, remove dead copper, pour order 18): 1910,20 1910,120 340,120 340,20
NetK1_2 on Top Layer "NONET_L01_P-001" (solid, remove dead copper, pour order 4): 3595,1325 3910,1325 3910,665 3915,660 3595,660
VCC_BAT on Top Layer "NONET_L01_P-001" (solid, remove dead copper, pour order 2): 3145,20 3580,20 3585,15 3585,320 3915,320 3915,660 3510,660 3145,295
NetK2_1 on Top Layer "NONET_L01_P-001" (solid, remove dead copper, pour order 0): 2725,295 3145,295 3145,20 2725,20
DGND on Bottom Layer "DGND_L02_P030" (hatched 45Degree grid 20 track 8, remove dead copper, pour order 30): 23.23,180.78 23.36,2521.27 ccw(c20.11,2525.09) 25.13,2525.09 25.13,2956.74 cw(c193.56,2955) 195.28,3123.43 ccw(c195.33,3128.44) 195.33,3123.43 1686.74,3123.43 ccw(c1685,2955) 1686.72,3123.43 1686.74,3123.43 cw(c1685,2955) 1853.44,2955 cw(c1685,2955) 1853.43,2953.28 ccw(c1858.44,2953.23) 1853.43,2953.23 1853.43,2880.69 ccw(c1856.56,2876.77) 1851.54,2876.82 ccw(c2030,2875) 2028.18,2696.54 ccw(c2028.23,2701.56) 2028.23,2696.54 3735.06,2696.54 ccw(c3738.84,2699.84) 3738.85,2694.82 cw(c3739.27,2526.07) 3908.02,2526.49 ccw(c3913.04,2526.51) 3909.95,2522.56 3913.24,183.58 ccw(c3918,182) 3912.99,182 cw(c3755,182) 3755,24.01 180,24.01 cw(c180,180.78)
VCC_BAT on Bottom Layer "NONET_L01_P-001" (solid, remove dead copper, pour order 24): 3915,450 3915,665 3485,665 3485,450
3V3_MCU on Bottom Layer "NONET_L01_P-001" (solid, remove dead copper, pour order 16): 850,2445 1100,2445 1100,2295 965,2295 920,2250 850,2250
5V_1 on Bottom Layer "NONET_L01_P-001" (solid, remove dead copper, pour order 10): 1210,2010 1330,2010 1340,2000 1420,2000 1435,2015 1435,2042.51 1575,2042.51 1575,1750 1465,1750 1405,1810 1235,1810 1235,1930 1210,1930

## Other copper
Top Layer:
  text "广东工业大学" at 2689,818.17 h78.74
  text "霹雳火" at 2690,731.17 h78.74
  text "2022/03" at 2691,656.17 h78.74

## Silkscreen, mask and mechanical layers (free items; w line width, h text height)
Top Overlay:
  lines w10: 35,675 55,675 ; 55,692.5 55,695 55,675 ; 64,939 35,910 35,695 55,675
  text "GND" at 640,2720 h60
  text "VCC" at 410,2622 h60
  text "GND" at 1950,2495 h60
  text "GND" at 285,2255 h60
  text "VCC" at 2825,2181.42 h60
  text "GND" at 2945,2181.42 h60
  text "VCC" at 285,2150 h60
  text "GND" at 3625,1881.42 h60
  text "VCC" at 3625,1776.42 h60
  text "GND" at 3670,1370 h60 r90
  text "GND" at 565,1285 h60
  text "人的天职在勇于探索真理" at 2625,1162.1 h80
  text "KEY5_32.4" at 55,955 h60
  text "ON" at 3495,910 h60
  text "KEY_33.13" at 440,840 h60
  text "再开主板" at 3350,750 h60
  text "KEY_33.12" at 440,741.67 h60
  text "KEY_33.11" at 440,643.33 h60
  text "OFF" at 3470,550 h60
  text "KEY_33.10" at 440,545 h60
  text "VCC" at 440,460 h60
  text "GND" at 2555,415 h60
  text "OFF" at 3010,366.42 h60
  text "ON" at 3385,366.42 h60
  text "GND" at 1115,330 h60
  text "GND" at 2035,25 h60
Mechanical 1:
  lines w10: 18.35,2523.32 18.22,180.78 ccw(c180,180.78) 180,19 3755,19 ccw(c3755,182) 3918,182 ; 20.11,2525.09 20.11,2956.77 cw(c193.56,2955) 195.33,3128.44 1686.77,3128.44 cw(c1685,2955) 1858.44,2953.23 1858.44,2878.65 ; 1856.56,2876.77 ccw(c2030,2875) 2028.23,2701.56 3737.12,2701.56 ; 3738.84,2699.84 cw(c3739.27,2526.07) 3913.04,2526.51 ; 3914.95,2526.32 3918.27,174.16

## Dimensions
0,0 to -70,3135 on Top Layer
0,0 to 3920,5 on Top Layer

## Text inside footprints (layer, text, board x,y; h text height)
VCC: Top Overlay "-" at 3733,1510 h55.12 r90; Bottom Overlay "+" at 3919.24,1137.89 h55.12 r90; Bottom Overlay "-" at 3733,1530 h55.12 r90